# KiCad board Type 1 Termination Board v3 design.kicad_pcb (continued)
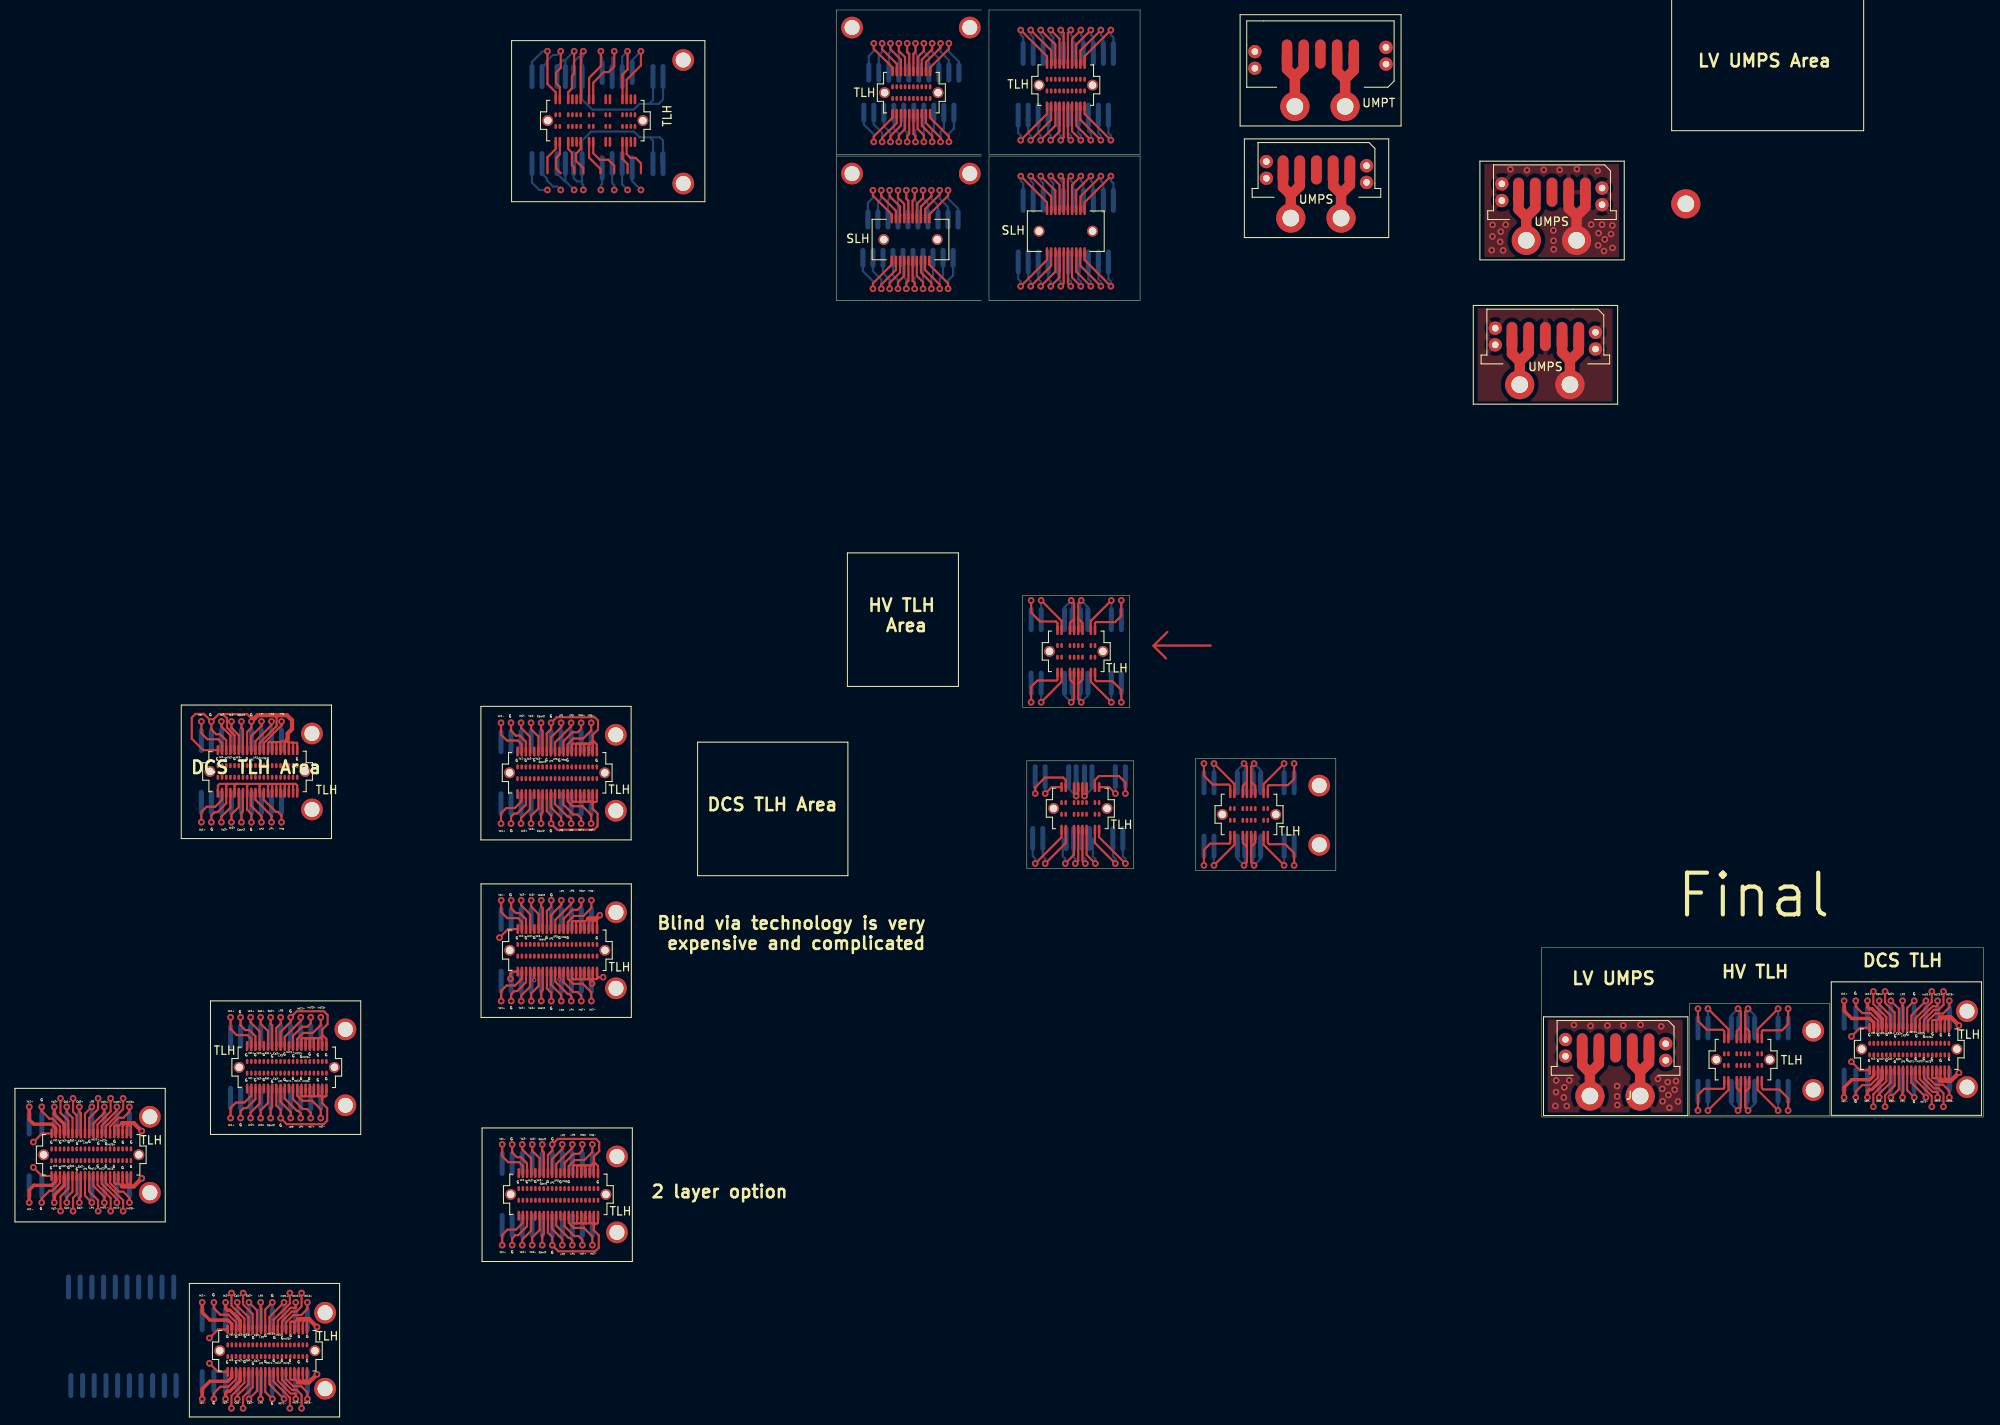
[diagram p0: board, top side]
## Nets (continued)

## Via types
v1: diameter 0.8, hole 0.4, Top to Bottom, 392 vias
v2: diameter 0.8, hole 0.4, Top to InF.Cu, 3 vias
v3: diameter 0.5, hole 0.3, Top to InF.Cu, 2 vias

## Routing (per net, layer and track width the routed paths; a pad name or vN(x,y) marks a point on that pad's centre or on a via; arc(x,y) is an arc through that point)
GND: length 421.1
  Top w0.25: -151.07,8.5 -151.07,10.18 -149.83,11.42 -149.83,11.92 v1(-149.85,11.94) -149.12,12.67 -145.88,12.67 -145.43,12.22 -145.43,11.13 -146.07,10.49 -146.07,9.73 ; -151.57,3.4 -151.57,1.37 -151.05,0.85 v1(-151.05,-0.14) -150.32,-0.87 -145.91,-0.87 -145.48,-0.44 -145.48,1.06 -146.07,1.65 -146.07,2.26 ; v1(-155.85,-0.13) -155.85,0.68 -155.47,1.06 -155.14,1.06 -154.07,2.13 -154.07,3.4 ; -148.61,11.55 -150.57,9.59 -150.57,8.5 ; v1(-154.65,-0.13) -154.65,0.53 -153.57,1.61 -153.57,3.4 ; -154.07,8.5 -154.07,9.68 -154.8,10.41 -155.29,10.41 -155.86,10.98 -155.85,10.99 v1(-155.85,11.94) ; v1(-149.85,-0.13) -149.85,0.59 -151.07,1.81 -151.07,3.4 ; -145.57,8.5 -145.57,9.35 -145.95,9.73 -146.07,9.73 ; -147.26,9.44 -147.48,9.44 -147.57,9.35 -147.57,8.5 ; -147.26,9.44 -146.87,9.44 ; -147.26,9.44 -147.82,9.44 ; -146.57,8.5 -146.57,9.4 -146.61,9.44 ; -148.57,8.5 -148.57,9.35 -148.48,9.44 -147.82,9.44 ; -146.07,9.73 -146.07,8.5 ; -146.07,9.73 -146.36,9.44 -146.61,9.44 ; -147.82,9.44 -147.98,9.44 -148.07,9.35 -148.07,8.5 ; -147.07,8.5 -147.07,9.35 -146.98,9.44 -146.87,9.44 ; -146.87,9.44 -146.61,9.44 ; v1(-157.05,11.94) -157.05,10.53 -156.33,9.81 -155.03,9.81 -154.57,9.35 -154.57,8.5 ; -147.57,3.4 -147.57,2.55 -147.5,2.48 -147.41,2.48 ; -148.07,3.4 -148.07,2.55 -148.14,2.48 -148.15,2.48 ; -146.07,3.4 -146.07,2.28 ; -146.57,2.55 -146.55,2.53 -146.55,2.48 -147,2.48 ; -146.57,2.55 -146.34,2.55 -146.07,2.28 ; -146.57,2.55 -146.57,3.4 ; -147.41,2.48 -148.15,2.48 ; -147.41,2.48 -147,2.48 ; -146.07,2.28 -146.07,2.26 ; -148.57,3.4 -148.57,2.55 -148.5,2.48 -148.15,2.48 ; -146.07,2.26 -145.87,2.46 -145.66,2.46 -145.57,2.55 -145.57,3.4 ; -147,2.48 -147,2.48 -147.07,2.55 -147.07,3.4 ; TLH#8.8 -119.16,15.39 -118.64,14.87 v1(-118.64,13.88) ; v1(-123.44,13.89) -123.44,14.7 -123.06,15.08 -122.73,15.08 -121.66,16.15 TLH#8.3 ; v1(-118.64,25.96) -118.64,25.22 -119.16,24.7 TLH#8.28 ; v1(-123.44,25.96) -123.44,25.01 -123.45,25 -122.88,24.43 -122.39,24.43 -121.66,23.7 TLH#8.23 ; -114.85,23.46 -115.07,23.46 -115.16,23.37 TLH#8.36 ; -114.85,23.46 -115.41,23.46 ; -114.85,23.46 -114.55,23.46 -114.24,23.77 ; TLH#8.37 -114.66,23.37 ; TLH#8.15 -115.66,16.57 -115.73,16.5 -115.74,16.5 ; -115,16.5 -115.09,16.5 -115.16,16.57 TLH#8.16 ; -115,16.5 -115.74,16.5 ; -115,16.5 -114.66,16.5 ; TLH#8.14 -116.16,16.57 -116.09,16.5 -115.74,16.5 ; -115.41,23.46 -116.07,23.46 -116.16,23.37 TLH#8.34 ; -115.41,23.46 -115.57,23.46 -115.66,23.37 TLH#8.35 ; TLH#9.8 -119.04,-13.86 -118.52,-14.38 v1(-118.52,-15.37) -117.79,-16.1 -113.38,-16.1 -112.95,-15.67 -112.95,-14.17 -113.54,-13.58 -113.54,-12.97 ; v1(-123.32,-15.36) -123.32,-14.55 -122.94,-14.17 -122.61,-14.17 -121.54,-13.1 TLH#9.3 ; v1(-123.32,-3.29) -123.32,-4.24 -123.33,-4.25 -122.76,-4.82 -122.27,-4.82 -121.54,-5.55 TLH#9.23 ; -114.73,-5.79 -114.95,-5.79 -115.04,-5.88 TLH#9.36 ; -114.73,-5.79 -115.29,-5.79 ; -114.73,-5.79 -114.34,-5.79 ; TLH#9.38 -114.04,-5.83 -114.08,-5.79 ; TLH#9.28 -119.04,-4.55 -118.52,-4.03 v1(-118.52,-3.29) -117.86,-2.63 -113.28,-2.63 -112.9,-3.01 -112.9,-4.1 -113.54,-4.74 -113.54,-5.5 ; TLH#9.40 -113.04,-5.88 -113.42,-5.5 -113.54,-5.5 ; TLH#9.19 -113.54,-12.95 ; -114.04,-12.68 -114.02,-12.7 -114.02,-12.75 -114.47,-12.75 ; -114.04,-12.68 -113.81,-12.68 -113.54,-12.95 ; -114.04,-12.68 TLH#9.18 ; TLH#9.37 -114.54,-5.88 -114.45,-5.79 -114.34,-5.79 ; -114.08,-5.79 -114.34,-5.79 ; -114.08,-5.79 -113.83,-5.79 -113.54,-5.5 ; TLH#9.15 -115.54,-12.68 -115.61,-12.75 -115.62,-12.75 ; -114.88,-12.75 -114.97,-12.75 -115.04,-12.68 TLH#9.16 ; -114.88,-12.75 -115.62,-12.75 ; -114.88,-12.75 -114.47,-12.75 ; -113.54,-5.5 TLH#9.39 ; -113.54,-12.95 -113.54,-12.97 ; TLH#9.14 -116.04,-12.68 -115.97,-12.75 -115.62,-12.75 ; -114.47,-12.75 -114.47,-12.75 -114.54,-12.68 TLH#9.17 ; -115.29,-5.79 -115.95,-5.79 -116.04,-5.88 TLH#9.34 ; -115.29,-5.79 -115.45,-5.79 -115.54,-5.88 TLH#9.35 ; -113.54,-12.97 -113.34,-12.77 -113.13,-12.77 -113.04,-12.68 TLH#9.20 ; -170.99,-7.07 -170.99,-7.92 -170.9,-8.01 -170.38,-8.01 -170.07,-8.32 ; -170.49,-7.07 -170.49,-7.92 ; -169.79,-8.32 -169.79,-8.12 -169.99,-7.92 -169.99,-7.07 ; -169.26,-8.32 -169.26,-8.15 -169.49,-7.92 -169.49,-7.07 ; -168.99,-7.07 -168.99,-7.92 -169.06,-7.99 -169.06,-8.32 ; -178.49,-7.07 -179.64,-7.07 v1(-180.67,-6.04) ; -177.49,-7.07 -177.49,-7.92 -178.41,-8.84 -178.75,-8.84 -179.67,-9.76 v1(-179.67,-10.26) ; v1(-175.92,-11.28) -175.92,-9.68 -175.49,-9.25 -175.49,-7.07 ; -171.99,-7.07 -171.99,-7.92 -169.92,-9.99 v1(-169.92,-11.28) ; -172.99,-7.07 -172.99,-8.15 -171.42,-9.72 v1(-171.42,-11.28) ; -176.49,-7.07 -176.49,-8.6 -177.42,-9.53 v1(-177.42,-11.28) ; -173.99,-7.07 -173.99,-8.92 -172.92,-9.99 v1(-172.92,-11.28) ; -170.99,-1.98 -170.99,-1.13 -170.9,-1.04 -170.38,-1.04 -170.07,-0.73 ; -169.99,-1.98 -169.99,-1.13 -169.79,-0.93 -169.79,-0.73 ; -170.49,-1.98 -170.49,-1.13 ; -169.26,-0.73 -169.26,-0.9 -169.49,-1.13 -169.49,-1.98 ; -168.99,-1.98 -168.99,-1.13 -169.06,-1.06 -169.06,-0.73 ; -178.49,-1.98 -179.64,-1.98 v1(-180.67,-3.01) ; -149.9,-25.46 -149.9,-24.61 -149.81,-24.52 -149.29,-24.52 -148.98,-24.21 ; -148.9,-25.46 -148.9,-24.61 -148.7,-24.41 -148.7,-24.21 ; -149.4,-25.46 -149.4,-24.61 ; -148.17,-24.21 -148.17,-24.38 -148.4,-24.61 -148.4,-25.46 ; -157.4,-25.46 -158.55,-25.46 v1(-159.58,-26.49) ; TLH#12.5 -156.4,-24.61 -157.32,-23.69 -158.28,-23.69 -159.05,-22.92 v1(-159.05,-22.22) ; v1(-159.58,-29.52) -158.55,-30.55 -157.4,-30.55 ; -156.4,-30.55 -156.4,-31.4 -157.32,-32.32 -158.28,-32.32 -159.05,-33.09 v1(-159.05,-33.79) ; -148.4,-30.55 -148.4,-31.4 -148.17,-31.63 -148.17,-31.8 ; -148.7,-31.8 -148.7,-31.6 -148.9,-31.4 -148.9,-30.55 ; -148.98,-31.8 -149.29,-31.49 -149.81,-31.49 -149.9,-31.4 -149.9,-30.55 ; -149.4,-30.55 -149.4,-31.4 ; -151.9,-30.55 -151.9,-31.69 -149.95,-33.64 v1(-149.95,-34.91) ; -154.4,-30.55 -154.4,-32.4 -155.55,-33.55 v1(-155.55,-34.91) ; -155.4,-30.55 -155.4,-31.86 -156.95,-33.41 v1(-156.95,-34.91) ; -150.9,-30.55 -150.9,-31.5 -149.7,-32.7 -149.15,-32.7 -148.55,-33.3 v1(-148.55,-34.91) ; -152.9,-30.55 -152.9,-32.94 v1(-152.05,-33.79) ; -147.9,-30.55 -147.9,-31.56 -147.66,-31.8 ; TLH#8.5 -120.66,16.41 v3(-120.68,16.39) ; -113.66,16.52 -113.21,16.52 -113.16,16.57 ; -113.66,16.52 -113.68,16.5 ; -113.66,16.52 TLH#8.19 ; -113.23,23.77 -113.23,23.44 -113.16,23.37 TLH#8.40 ; -113.68,16.5 -113.75,16.43 v2(-113.75,16) ; -113.68,16.5 -114.14,16.5 ; -113.16,16.57 -113.16,16.57 -113,16.74 v2(-112.43,16.74) ; -113.16,16.57 TLH#8.20 ; TLH#8.39 -113.66,23.37 -113.43,23.6 -113.43,23.77 ; v1(-169.92,2.23) -169.92,0.94 -171.99,-1.13 TLH#11.27 ; -147.9,-25.46 -147.9,-24.45 -147.66,-24.21 ; v1(-175.92,2.23) -175.92,0.63 -175.49,0.2 TLH#11.13 ; v1(-179.67,1.21) -179.67,0.71 -178.75,-0.21 -178.41,-0.21 -177.49,-1.13 TLH#11.5 ; -113.96,23.77 -113.96,23.57 -114.16,23.37 TLH#8.38 ; v1(-148.55,-21.1) -148.55,-22.71 -149.15,-23.31 -149.7,-23.31 -150.9,-24.51 TLH#12.27 ; v1(-177.42,2.23) -177.42,0.48 -176.49,-0.45 TLH#11.9 ; TLH#12.13 -154.4,-23.61 -155.55,-22.46 v1(-155.55,-21.1) ; -114.66,16.5 -114.66,16.57 -114.66,16.57 TLH#8.17 ; -114.66,16.5 -114.14,16.5 ; TLH#12.19 -152.9,-23.07 v1(-152.05,-22.22) ; -114.14,16.5 -114.14,16.55 -114.16,16.57 TLH#8.18 ; TLH#8.1 -123.27,17.42 -123.53,17.16 v2(-123.53,16.57) ; TLH#12.9 -155.4,-24.15 -156.95,-22.6 v1(-156.95,-21.1) ; TLH#8.11 -117.66,16.48 v3(-117.66,16.48) ; TLH#11.19 -173.99,-0.13 -172.92,0.94 v1(-172.92,2.23) ; TLH#12.23 -151.9,-24.32 -149.95,-22.37 v1(-149.95,-21.1) ; TLH#11.23 -172.99,-0.9 -171.42,0.67 v1(-171.42,2.23) ; TLH#8.21 -123.81,22.52 v1(-124.84,21.49)
  Top w0.5: v1(-167.69,-7.36) -168.65,-8.32 -170.07,-8.32 ; v1(-167.69,-1.69) -168.65,-0.73 -170.07,-0.73 ; -147.97,-24.21 -148.17,-24.21 ; -148.17,-24.21 -148.98,-24.21 ; -148.17,-24.21 -147.66,-24.21 v1(-146.7,-25.17) ; -148.98,-31.8 -148.17,-31.8 ; -147.97,-31.8 -148.17,-31.8 ; -148.17,-31.8 -147.66,-31.8 v1(-146.7,-30.84) ; v1(-112.83,24.17) -113.23,23.77 -114.24,23.77
  Top w1.25: UMPS#2.1 5.22,109 4.17,107.95 ; UMPS#2.2 3.22,108.9 4.17,107.95 ; 4.17,107.95 REF**#14.1 ; 3.38,90.66 4.43,91.71 4.43,93.52 ; 3.38,90.66 2.43,91.61 2.43,93.52 ; 3.38,90.66 REF**#27.1 ; 11.79,5.42 J2.1 ; 11.79,5.42 10.84,6.37 10.84,8.28 ; 11.79,5.42 12.84,6.47 12.84,8.28 ; 5.77,5.29 J3.1 ; 5.77,5.29 6.84,6.36 6.84,8.28 ; 5.77,5.29 4.84,6.22 4.84,8.28
  Bottom w0.25: v1(-157.05,11.94) -157.05,9.67 ; v1(-149.85,11.94) REF**#56.7 ; v1(-149.85,-0.13) -149.85,2.24 ; v1(-151.05,-0.14) REF**#57.6 ; v1(-155.85,11.94) REF**#56.2 ; v1(-148.65,11.94) -148.65,9.67 ; v1(-154.65,-0.13) -154.65,2.24 ; v1(-155.85,-0.13) REF**#57.2 ; v1(-118.64,25.96) REF**#60.6 ; v1(-118.64,13.88) REF**#61.6 ; v1(-123.44,13.89) REF**#61.2 ; v1(-123.44,25.96) REF**#60.2 ; v1(-118.52,-3.29) REF**#62.6 ; v1(-118.52,-15.37) REF**#63.6 ; v1(-123.32,-15.36) REF**#63.2 ; v1(-123.32,-3.29) REF**#62.2
  Bottom w0.4: REF**#66.6 v1(-179.67,-10.26) ; v1(-152.05,-33.79) REF**#73.20 ; v1(-159.05,-33.79) REF**#73.6 ; v1(-152.05,-22.22) REF**#68.19 ; v1(-159.05,-22.22) REF**#68.5 ; REF**#67.5 v1(-179.67,1.21)
  vias: v1(-5.99,103.86) v1(-5.89,106.9) v1(-5.91,105.51) v1(-4.98,104.86) v1(-4.91,106.08) v1(-4.63,103.84) v1(-4.32,106.92) v1(-3.76,113.56) v1(-1.77,113.45) v1(0.24,113.49) v1(1.41,106.23) v1(1.41,105) v1(1.43,103.96) v1(1.63,1.33) v1(1.73,4.37) v1(1.71,2.98) v1(2.14,113.49) v1(2.64,2.33) v1(2.71,3.55) v1(2.99,1.31) v1(3.3,4.39) v1(3.86,11.03) v1(4.21,113.58) v1(5.85,10.92) v1(5.92,106.93) v1(6.69,113.39) v1(6.75,104.44) v1(6.81,105.9) v1(7.22,106.92) v1(7.46,103.76) v1(7.55,105.16) v1(7.86,10.96) v1(8.3,105.8) v1(8.46,106.83) v1(8.47,104.14) v1(9.03,3.7) v1(9.03,2.47) v1(9.05,1.43) v1(9.76,10.96) v1(11.83,11.05) v1(13.92,4.56) v1(14.31,10.86) v1(14.43,3.37) v1(14.48,1.88) v1(15.09,4.18) v1(15.17,2.63) v1(15.29,1.1) v1(15.92,3.27) v1(16.08,4.3) v1(16.32,1.85)
(no net): length 2321.9
  Top w0.25: v1(-78.11,111.04) -78.11,110.34 -76.86,109.09 REF**#5.3 ; v1(-71.11,111.04) -71.11,110.39 -73.36,108.14 -73.36,107.69 ; v1(-79.11,111.04) -79.11,110.34 -77.36,108.59 -77.36,107.69 ; v1(-78.11,99.24) -78.11,99.94 -76.86,101.19 REF**#5.13 ; v1(-79.11,99.24) -79.11,99.74 -77.36,101.49 REF**#5.12 ; v1(-73.11,99.24) -73.11,99.94 -74.36,101.19 REF**#5.18 ; REF**#5.14 -76.36,100.79 -77.11,100.04 v1(-77.11,99.24) ; REF**#5.6 -75.36,109.79 -75.11,110.04 v1(-75.11,111.04) ; REF**#5.8 -74.36,109.09 -73.11,110.34 v1(-73.11,111.04) ; v1(-52.81,112.74) -55.26,110.29 -55.26,108.69 ; REF**#3.9 -77.26,126.19 -79.01,127.94 v1(-79.01,128.64) ; REF**#5.9 -73.86,108.79 -72.11,110.54 v1(-72.11,111.04) ; v1(-74.11,111.04) -74.11,110.14 -74.86,109.39 REF**#5.7 ; v1(-76.11,111.04) -76.11,110.04 -75.86,109.79 REF**#5.5 ; v1(-80.11,99.24) -80.11,99.89 -77.86,102.14 -77.86,102.59 ; -56.26,108.69 -56.26,111.69 v1(-55.21,112.74) ; v1(-51.61,112.74) -54.76,109.59 -54.76,108.69 ; REF**#5.16 -75.36,100.19 -75.11,99.94 v1(-75.11,99.24) ; v1(-54.01,99.54) -55.76,101.29 -55.76,103.59 ; -57.26,103.59 -57.26,99.89 v1(-57.61,99.54) ; v1(-76.11,99.24) -76.11,99.94 -75.86,100.19 REF**#5.15 ; v1(-72.11,99.24) -72.11,99.74 -73.86,101.49 REF**#5.19 ; -56.76,108.69 -56.76,112.39 v1(-56.41,112.74) ; -57.76,108.69 -57.76,111.69 v1(-58.81,112.74) ; v1(-61.21,99.54) -58.76,101.99 -58.76,103.59 ; -77.26,120.22 -77.26,119.09 -79.01,117.34 v1(-79.01,116.84) ; v1(-73.01,116.84) -73.01,117.54 -74.26,118.79 -74.26,120.22 ; REF**#6.19 -58.76,119.49 v1(-61.21,117.04) ; REF**#6.14 -56.26,118.09 v1(-55.21,117.04) ; v1(-75.01,116.84) -75.01,117.54 -75.26,117.79 -75.26,120.22 ; -75.76,120.22 -75.76,117.79 -76.01,117.54 v1(-76.01,116.84) ; REF**#6.16 -57.26,117.39 v1(-57.61,117.04) ; v1(-61.21,130.24) -58.76,127.79 REF**#6.9 ; -55.76,108.69 -55.76,110.99 v1(-54.01,112.74) ; v1(-76.01,128.64) -76.01,127.64 -75.76,127.39 -75.76,125.27 ; v1(-74.01,116.84) -74.01,117.64 -74.76,118.39 -74.76,120.22 ; v1(-77.01,128.64) -77.01,127.74 -76.26,126.99 -76.26,125.27 ; v1(-72.01,116.84) -72.01,117.34 -73.76,119.09 -73.76,120.22 ; v1(-78.01,128.64) -78.01,127.94 -76.76,126.69 -76.76,125.27 ; v1(-62.41,99.54) -59.26,102.69 -59.26,103.59 ; v1(-77.01,116.84) -77.01,117.64 -76.26,118.39 -76.26,120.22 ; v1(-54.01,130.24) -55.76,128.49 REF**#6.3 ; REF**#6.17 -57.76,118.09 v1(-58.81,117.04) ; REF**#6.6 -57.26,129.89 v1(-57.61,130.24) ; v1(-55.21,130.24) -56.26,129.19 REF**#6.4 ; v1(-62.41,130.24) -59.26,127.09 REF**#6.10 ; v1(-60.01,117.04) -58.26,118.79 REF**#6.18 ; -74.76,125.27 -74.76,126.99 -74.01,127.74 v1(-74.01,128.64) ; v1(-56.41,117.04) -56.76,117.39 REF**#6.15 ; v1(-52.81,130.24) -55.26,127.79 REF**#6.2 ; REF**#6.20 -59.26,120.19 v1(-62.41,117.04) ; REF**#6.7 -57.76,129.19 v1(-58.81,130.24) ; REF**#6.12 -55.26,119.49 v1(-52.81,117.04) ; -77.86,107.69 -77.86,108.14 -80.11,110.39 v1(-80.11,111.04) ; v1(-75.01,128.64) -75.01,127.64 -75.26,127.39 -75.26,125.27 ; v1(-71.11,99.24) -71.11,99.89 -73.36,102.14 -73.36,102.59 ; v1(-74.11,99.24) -74.11,100.04 -74.86,100.79 REF**#5.17 ; v1(-77.11,111.04) -77.11,110.14 -76.36,109.39 REF**#5.4 ; REF**#6.1 -54.76,127.09 v1(-51.61,130.24) ; v1(-60.01,130.24) -58.26,128.49 REF**#6.8 ; REF**#6.11 -54.76,120.19 v1(-51.61,117.04) ; v1(-55.21,99.54) -56.26,100.59 -56.26,103.59 ; v1(-78.01,116.84) -78.01,117.54 -76.76,118.79 -76.76,120.22 ; -55.26,103.59 -55.26,101.99 v1(-52.81,99.54) ; v1(-51.61,99.54) -54.76,102.69 -54.76,103.59 ; -74.26,125.27 -74.26,126.69 -73.01,127.94 v1(-73.01,128.64) ; v1(-60.01,99.54) -58.26,101.29 -58.26,103.59 ; v1(-57.61,112.74) -57.26,112.39 -57.26,108.69 ; REF**#6.13 -55.76,118.79 v1(-54.01,117.04) ; v1(-56.41,130.24) -56.76,129.89 REF**#6.5 ; v1(-60.01,112.74) -58.26,110.99 -58.26,108.69 ; v1(-56.41,99.54) -56.76,99.89 -56.76,103.59 ; v1(-58.81,99.54) -57.76,100.59 -57.76,103.59 ; -59.26,108.69 -59.26,109.59 v1(-62.41,112.74) ; v1(-61.21,112.74) -58.76,110.29 -58.76,108.69 ; -73.76,125.27 -73.76,126.39 -72.01,128.14 v1(-72.01,128.64) ; v1(-71.01,116.84) -71.01,117.49 -73.26,119.74 REF**#3.11 ; v1(-80.01,128.64) -80.01,127.99 -77.76,125.74 REF**#3.10 ; REF**#3.20 -77.76,119.74 -80.01,117.49 v1(-80.01,116.84) ; REF**#3.1 -73.26,125.74 -71.01,127.99 v1(-71.01,128.64) ; TLH#2.11 -53.02,33.52 v1(-49.87,30.37) ; v1(-53.47,30.37) -54.52,31.42 TLH#2.14 ; TLH#2.12 -53.52,32.82 v1(-51.07,30.37) ; v1(-55.87,30.37) -55.52,30.72 TLH#2.16 ; v1(-60.67,30.37) -57.52,33.52 TLH#2.20 ; TLH#2.15 -55.02,30.72 v1(-54.67,30.37) ; v1(-57.07,30.37) -56.02,31.42 TLH#2.17 ; v1(-59.47,30.37) -57.02,32.82 TLH#2.19 ; TLH#3.34 -110.11,114.8 -109.5,114.19 -109.5,113.08 ; TLH#3.3 -117.61,123.41 -118.06,123.86 -118.06,125.14 -117.5,125.7 v1(-117.5,127.7) ; -107.9,113.08 -107.9,114.28 -108.53,114.91 -109.14,114.91 -109.61,115.38 TLH#3.36 ; TLH#3.2 -118.11,115.99 -119.1,115 -119.1,113.08 ; -115.9,113.08 -115.9,113.79 -116.17,114.06 -116.17,115.55 -116.61,115.99 TLH#3.8 ; TLH#3.1 -118.11,122.79 -119.1,123.78 v1(-119.1,127.7) ; TLH#3.20 -113.61,115.48 -112.83,114.7 -111.82,114.7 -111.1,113.98 -111.1,113.08 ; -112.7,113.08 -112.74,113.12 -112.74,113.59 -114.11,114.96 TLH#3.18 ; -117.5,113.08 -118.06,113.64 -118.06,114.92 -117.61,115.37 TLH#3.4 ; TLH#3.14 -115.11,115.99 -115.66,115.44 -115.66,114.55 -114.8,113.69 -114.8,113.08 ; TLH#3.7 -116.61,122.79 -116.17,123.23 -116.17,124.72 -115.9,124.99 v1(-115.9,127.7) ; v1(-109.5,127.7) -109.5,125.51 -110.11,124.9 TLH#3.33 ; v1(-114.8,127.7) -115.11,127.39 TLH#3.13 ; v1(-107.9,127.7) -107.9,125.99 -109.61,124.28 TLH#3.35 ; TLH#3.17 -114.11,124.51 -112.7,125.92 v1(-112.7,127.7) ; TLH#3.19 -113.61,123.93 -112.34,125.2 -111.79,125.2 -111.1,125.89 v1(-111.1,127.7) ; -55.51,51.95 -55.46,51.95 -55.01,52.4 -55.01,53.25 ; -55.51,51.95 -55.51,53.25 ; -55.51,51.95 -55.51,50.05 -55.16,49.7 ; -56.36,49.7 -56.01,50.05 -56.01,51.85 ; -61.16,49.7 -61.16,51.55 -60.42,52.29 -58.12,52.29 -58.01,52.4 -58.01,53.25 ; -53.51,53.25 -53.51,52.4 -53.33,52.22 -51.42,52.22 -50.36,51.16 -50.36,49.7 ; -51.56,49.7 -54.01,52.15 -54.01,53.25 ; -59.96,49.7 -57.51,52.15 -57.51,53.25 ; -56.01,53.25 -56.01,51.85 ; -56.01,51.85 -56.01,51.9 -56.51,52.4 -56.51,53.25 ; v1(-159.35,47.39) -159.35,46.44 -159.36,46.43 -158.79,45.86 -158.3,45.86 -157.57,45.13 TLH#5.23 ; v1(-159.35,47.39) -160.26,48.3 -161.25,48.3 -161.7,47.85 -161.7,45.32 -160.33,43.95 TLH#5.21 ; v1(-159.35,47.39) -158.47,48.27 -157.99,48.27 ; v1(-160.55,47.39) -160.55,46 -160.56,45.99 -159.83,45.26 -158.53,45.26 -158.07,44.8 TLH#5.22 ; TLH#5.7 -155.57,36.68 -155.75,36.5 v1(-155.75,35.32) ; v1(-153.35,35.32) -153.35,36.04 -154.57,37.26 TLH#5.9 ; -157.4,39.91 -156.23,39.91 ; -157.4,39.91 -158.36,39.91 -158.57,39.7 TLH#5.1 ; -157.4,39.91 -157.4,39.87 -157.57,39.7 TLH#5.3 -157.57,37.58 -158.64,36.51 -158.97,36.51 -159.35,36.13 v1(-159.35,35.32) ; -156.23,39.91 -154.88,39.91 ; -156.23,39.91 -156.36,39.91 -156.57,39.7 TLH#5.5 ; -154.88,39.91 -154.88,39.89 -155.07,39.7 TLH#5.8 -155.07,36.82 -154.55,36.3 v1(-154.55,35.31) ; -154.88,39.91 -153.37,39.91 ; -152.07,38.85 -152.07,39.85 ; -149.07,38.85 -149.07,39.7 -149.28,39.91 -151.01,39.91 ; -151.01,39.91 -152.38,39.91 ; -151.01,39.91 -151.07,39.85 -151.07,38.85 ; -152.38,39.91 -152.57,39.72 -152.57,38.85 ; -152.38,39.91 -153.37,39.91 ; -150.07,38.85 -150.07,39.85 ; -153.37,39.91 -153.37,39.9 -153.57,39.7 TLH#5.11 ; -149.57,38.85 -149.57,39.85 ; -150.57,38.85 -150.57,39.85 ; -151.57,38.85 -151.57,39.85 ; TLH#5.2 -158.07,38 -158.89,37.18 -159.91,37.18 -160.55,36.54 v1(-160.55,35.32) ; v1(-155.75,47.39) -155.75,46.64 -155.76,46.63 -155.57,46.44 TLH#5.27 ; v1(-150.95,35.32) -150.95,36.13 -151.38,36.56 -151.63,36.56 -153.07,38 TLH#5.12 ; -158.15,46.79 v1(-158.15,47.39) ; -158.15,46.79 -158.13,46.81 ; -158.15,46.79 -157.07,45.71 TLH#5.24 ; TLH#5.28 -155.07,46.13 -154.55,46.65 v1(-154.55,47.39) -154.55,47.96 -154.58,47.99 -154.77,47.99 -155.05,48.27 -157.99,48.27 ; TLH#5.10 -154.07,38 -152.12,36.05 -152.15,36.02 v1(-152.15,35.32) ; TLH#5.32 -153.07,44.8 -150.91,46.96 -150.91,47.35 v1(-150.95,47.39) ; -152.11,47 -154.07,45.04 TLH#5.30 ; TLH#5.29 -154.57,45.63 -153.33,46.87 -153.33,47.37 v1(-153.35,47.39) ; TLH#5.26 -156.07,45.75 -156.95,46.63 v1(-156.95,47.39) ; v1(-158.15,35.32) -158.15,35.98 -157.07,37.06 TLH#5.4 ; v1(-156.95,35.32) -156.95,36.24 -156.07,37.12 TLH#5.6 ; v1(-152.25,-0.13) -152.25,1.05 -152.07,1.23 -152.07,3.4 ; -152.07,8.5 -152.07,10.99 -152.26,11.18 -152.25,11.19 v1(-152.25,11.94) ; -154.65,11.34 -154.63,11.36 ; -154.65,11.34 v1(-154.65,11.94) ; -154.65,11.34 -153.57,10.26 -153.57,8.5 ; v1(-153.45,11.94) -153.45,11.18 -152.57,10.3 -152.57,8.5 ; v1(-151.05,11.94) -151.05,11.2 -151.57,10.68 -151.57,8.5 ; v1(-153.45,-0.13) -153.45,0.79 -152.57,1.67 -152.57,3.4 ; v1(-157.05,-0.13) -157.05,1.09 -156.41,1.73 -155.39,1.73 -154.57,2.55 -154.57,3.4 ; -149.57,3.4 -149.57,2.13 -148.39,0.95 -147.9,0.95 -147.45,0.5 v1(-147.45,-0.13) ; -149.07,3.4 -149.07,2.55 -148.46,1.94 -147.27,1.94 -146.25,0.92 v1(-146.25,-0.13) ; v1(-147.45,11.94) -147.45,11.24 -147.88,10.81 -148.49,10.81 -149.57,9.73 -149.57,8.5 ; v1(-148.65,-0.13) -148.65,0.44 -148.94,0.73 -149.09,0.73 -150.57,2.21 -150.57,3.4 ; -149.07,8.5 -149.07,9.35 -148.35,10.07 -147.2,10.07 -146.25,11.02 v1(-146.25,11.94) ; TLH#7.1 -32.81,39.65 -32.7,39.76 -30.4,39.76 -29.66,40.5 v1(-29.66,42.35) ; -35.31,33.71 -35.31,32.31 ; -35.31,32.31 -35.31,32.36 -35.81,32.86 -35.81,33.71 ; -35.31,32.31 -35.31,30.51 -35.66,30.16 ; TLH#7.7 -35.81,39.65 -35.36,40.1 -35.31,40.1 ; v1(-30.86,42.35) -33.31,39.9 TLH#7.2 ; -34.81,32.41 -34.81,30.51 -34.46,30.16 ; -34.81,32.41 -34.76,32.41 -34.31,32.86 -34.31,33.71 ; -34.81,32.41 -34.81,33.71 ; TLH#7.10 -37.31,39.65 -37.49,39.83 -39.4,39.83 -40.46,40.89 v1(-40.46,42.35) ; -39.26,30.16 -36.81,32.61 -36.81,33.71 ; -29.66,30.16 -29.66,31.62 -30.72,32.68 -32.63,32.68 -32.81,32.86 -32.81,33.71 ; -37.31,33.71 -37.31,32.86 -37.42,32.75 -39.72,32.75 -40.46,32.01 -40.46,30.16 ; v1(-39.26,42.35) -36.81,39.9 TLH#7.9 ; -30.86,30.16 -33.31,32.61 -33.31,33.71 ; v1(-35.66,42.35) -35.31,42 -35.31,40.1 ; -35.31,40.1 TLH#7.6 ; TLH#7.4 -34.31,39.65 -34.81,40.15 -34.81,40.2 ; -34.81,40.2 -34.81,42 v1(-34.46,42.35) ; -34.81,40.2 TLH#7.5 ; TLH#8.29 -118.66,24.2 -117.42,25.44 -117.42,25.94 v1(-117.44,25.96) ; TLH#8.27 -119.66,25.01 -119.85,25.2 -119.84,25.21 v1(-119.84,25.96) ; -122.24,25.36 -122.22,25.38 ; -122.24,25.36 -121.16,24.28 TLH#8.24 ; -122.24,25.36 v1(-122.24,25.96) ; -116.2,25.57 -118.16,23.61 TLH#8.30 ; v1(-121.04,25.96) -121.04,25.2 -120.16,24.32 TLH#8.26 ; v1(-119.84,13.89) -119.84,15.07 -119.66,15.25 TLH#8.7 ; TLH#8.6 -120.16,15.69 -121.04,14.81 v1(-121.04,13.89) ; TLH#8.4 -121.16,15.63 -122.24,14.55 v1(-122.24,13.89) ; TLH#8.9 -118.66,15.83 -117.44,14.61 v1(-117.44,13.89) ; TLH#8.12 -117.16,16.15 -115.98,14.97 -115.49,14.97 -115.04,14.52 v1(-115.04,13.89) ; TLH#8.2 -122.16,16.57 -122.98,15.75 -124,15.75 -124.64,15.11 v1(-124.64,13.89) ; v1(-124.64,25.96) -124.64,24.55 -123.92,23.83 -122.62,23.83 -122.16,23.37 TLH#8.22 ; TLH#8.33 -116.66,23.37 -115.94,24.09 -114.79,24.09 -113.84,25.04 v1(-113.84,25.96) ; TLH#8.13 -116.66,16.57 -116.05,15.96 -114.86,15.96 -113.84,14.94 v1(-113.84,13.89) ; TLH#8.10 -118.16,16.23 -116.68,14.75 -116.53,14.75 -116.24,14.46 v1(-116.24,13.89) ; v1(-115.04,25.96) -115.04,25.26 -115.47,24.83 -116.08,24.83 -117.16,23.75 TLH#8.32 ; TLH#9.29 -118.54,-5.05 -117.3,-3.81 -117.3,-3.31 v1(-117.32,-3.29) ; TLH#9.27 -119.54,-4.24 -119.73,-4.05 -119.72,-4.04 v1(-119.72,-3.29) ; -122.12,-3.89 -122.1,-3.87 ; -122.12,-3.89 -121.04,-4.97 TLH#9.24 ; -122.12,-3.89 v1(-122.12,-3.29) ; -116.08,-3.68 -118.04,-5.64 TLH#9.30 ; v1(-120.92,-3.29) -120.92,-4.05 -120.04,-4.93 TLH#9.26 ; v1(-119.72,-15.36) -119.72,-14.18 -119.54,-14 TLH#9.7 ; TLH#9.6 -120.04,-13.56 -120.92,-14.44 v1(-120.92,-15.36) ; TLH#9.4 -121.04,-13.62 -122.12,-14.7 v1(-122.12,-15.36) ; TLH#9.9 -118.54,-13.42 -117.32,-14.64 v1(-117.32,-15.36) ; TLH#9.12 -117.04,-13.1 -115.86,-14.28 -115.37,-14.28 -114.92,-14.73 v1(-114.92,-15.36) ; TLH#9.2 -122.04,-12.68 -122.86,-13.5 -123.88,-13.5 -124.52,-14.14 v1(-124.52,-15.36) ; v1(-124.52,-3.29) -124.52,-4.7 -123.8,-5.42 -122.5,-5.42 -122.04,-5.88 TLH#9.22 ; TLH#9.33 -116.54,-5.88 -115.82,-5.16 -114.67,-5.16 -113.72,-4.21 v1(-113.72,-3.29) ; TLH#9.13 -116.54,-12.68 -115.93,-13.29 -114.74,-13.29 -113.72,-14.31 v1(-113.72,-15.36) ; TLH#9.10 -118.04,-13.02 -116.56,-14.5 -116.41,-14.5 -116.12,-14.79 v1(-116.12,-15.36) ; v1(-114.92,-3.29) -114.92,-3.99 -115.35,-4.42 -115.96,-4.42 -117.04,-5.5 TLH#9.32 ; 23.51,0.78 23.86,1.13 23.86,2.93 ; 29.51,0.78 29.51,2.24 28.45,3.3 26.54,3.3 26.36,3.48 26.36,4.33 ; 18.71,0.78 18.71,2.63 19.45,3.37 21.75,3.37 21.86,3.48 21.86,4.33 ; 23.36,4.33 23.36,3.48 23.86,2.98 23.86,2.93 ; 25.86,4.33 25.86,3.23 28.31,0.78 ; 23.86,4.33 23.86,2.93 ; 24.86,4.33 24.86,3.48 24.41,3.03 24.36,3.03 ; 19.91,0.78 22.36,3.23 22.36,4.33 ; 24.36,4.33 24.36,3.03 ; 24.36,3.03 24.36,1.13 24.71,0.78 ; TLH#10.2 25.86,10.52 v1(28.31,12.97) ; v1(29.51,12.97) 29.51,11.12 28.77,10.38 26.47,10.38 26.36,10.27 TLH#10.1 ; TLH#10.9 22.36,10.52 v1(19.91,12.97) ; v1(23.51,12.97) 23.86,12.62 23.86,10.72 ; TLH#10.10 21.86,10.27 21.68,10.45 19.77,10.45 18.71,11.51 v1(18.71,12.97) ; 24.36,10.82 24.36,10.77 24.86,10.27 TLH#10.4 ; 24.36,10.82 24.36,12.62 v1(24.71,12.97) ; 24.36,10.82 TLH#10.5 ; 23.86,10.72 23.81,10.72 23.36,10.27 TLH#10.7 ; 23.86,10.72 TLH#10.6 ; -170.67,-9.83 -172.49,-8.01 -172.49,-7.07 ; -175.99,-7.07 -175.99,-8.95 -176.67,-9.63 v1(-176.67,-10.26) ; -171.49,-7.07 -171.49,-7.92 -170.46,-8.95 -169.9,-8.95 -169.17,-9.68 v1(-169.17,-10.26) ; -172.17,-9.57 -173.49,-8.25 -173.49,-7.07 ; v1(-175.17,-10.26) -175.17,-9.69 -174.99,-9.52 -174.99,-9.52 -174.99,-7.07 ; -172.19,-9.59 -172.17,-9.61 v1(-172.17,-10.26) ; v1(-173.67,-10.26) -174.49,-9.44 -174.49,-7.07 ; v1(-170.67,-10.26) -170.67,-9.87 -170.69,-9.85 ; 46.77,10.68 46.77,11.53 46.86,11.62 47.38,11.62 47.69,11.93 ; 47.77,10.68 47.77,11.53 47.97,11.73 47.97,11.93 ; 47.27,10.68 47.27,11.53 ; 48.5,11.93 48.5,11.76 48.27,11.53 48.27,10.68 ; TLH#13.15 42.77,12.97 v1(41.82,13.92) ; v1(43.22,2.35) 43.22,2.93 43.27,2.98 43.27,5.59 ; v1(46.02,13.92) 44.27,12.17 TLH#13.21 ; TLH#13.25 45.27,11.72 46.82,13.27 47.35,13.27 47.42,13.34 v1(47.42,13.92) ; 46.27,5.59 46.27,4.73 47.13,3.87 48.08,3.87 48.82,3.13 v1(48.82,2.35) ; v1(48.82,13.92) 48.82,13.14 48.08,12.4 47.13,12.4 46.27,11.54 TLH#13.29 ; 44.27,5.59 44.27,4.1 v1(46.02,2.35) ; TLH#13.19 43.77,13.07 v1(44.62,13.92) ; 42.77,5.59 42.77,3.3 v1(41.82,2.35) ; v1(37.09,6.62) 38.12,5.59 39.27,5.59 ; v1(41.12,15.04) 41.12,13.68 42.27,12.53 TLH#13.13 ; 45.27,5.59 45.27,4.55 46.82,3 47.35,3 47.42,2.93 v1(47.42,2.35) ; 40.27,5.59 40.27,4.74 39.35,3.82 38.39,3.82 37.62,3.05 v1(37.62,2.35) ; v1(46.72,15.04) 46.72,13.77 44.77,11.82 TLH#13.23 ; 48.27,5.59 48.27,4.74 48.5,4.51 48.5,4.34 ; 47.97,4.34 47.97,4.54 47.77,4.74 47.77,5.59 ; v1(43.22,13.92) 43.22,13.34 43.27,13.29 TLH#13.17 ; 47.69,4.34 47.38,4.65 46.86,4.65 46.77,4.74 46.77,5.59 ; 40.42,2.76 41.77,4.11 41.77,5.59 ; v1(48.12,15.04) 48.12,13.43 47.52,12.83 46.97,12.83 45.77,11.63 TLH#13.27 ; 39.27,10.68 38.12,10.68 v1(37.09,9.65) ; 40.42,13.51 41.77,12.16 TLH#13.11 ; TLH#13.5 40.27,11.53 39.35,12.45 38.39,12.45 37.62,13.22 v1(37.62,13.92) ; TLH#13.9 41.27,11.99 39.72,13.54 v1(39.72,15.04) ; 48.77,10.68 48.77,11.69 49.01,11.93 ; 42.27,5.59 42.27,3.74 41.12,2.59 v1(41.12,1.23) ; 47.27,5.59 47.27,4.74 ; 44.77,5.59 44.77,4.45 46.72,2.5 v1(46.72,1.23) ; 41.27,5.59 41.27,4.28 39.72,2.73 v1(39.72,1.23) ; 43.77,5.59 43.77,3.2 v1(44.62,2.35) ; 49.01,4.34 48.77,4.58 48.77,5.59 ; 45.77,5.59 45.77,4.64 46.97,3.44 47.52,3.44 48.12,2.84 v1(48.12,1.23) ; -153.4,-30.55 -153.4,-33.16 -153.45,-33.21 v1(-153.45,-33.79) ; -150.4,-30.55 -150.4,-31.41 -149.54,-32.27 -148.59,-32.27 -147.85,-33.01 v1(-147.85,-33.79) ; -154.9,-30.55 -154.9,-32.03 -156.25,-33.38 ; v1(-154.85,-33.79) -153.9,-32.84 -153.9,-30.55 ; -152.4,-30.55 -152.4,-32.04 v1(-150.65,-33.79) ; -151.4,-30.55 -151.4,-31.59 -149.85,-33.14 -149.32,-33.14 -149.25,-33.21 v1(-149.25,-33.79) ; -170.67,0.78 -172.49,-1.04 TLH#11.25 ; TLH#4.36 -115.18,44.64 -115.09,44.73 -114.87,44.73 ; TLH#4.14 -116.18,37.84 -116.11,37.77 -115.76,37.77 ; -151.86,48.14 -151.54,47.82 -151.54,46.83 -153.57,44.8 TLH#5.31 ; -115.43,44.73 -114.87,44.73 ; -115.43,44.73 -116.09,44.73 -116.18,44.64 TLH#4.34 ; -115.43,44.73 -115.59,44.73 -115.68,44.64 TLH#4.35 ; -114.87,44.73 -114.48,44.73 ; -122.26,46.63 -121.18,45.55 TLH#4.24 ; -122.26,46.63 -122.24,46.65 ; -122.26,46.63 v1(-122.26,47.23) ; TLH#4.10 -118.18,37.5 -116.7,36.02 -116.55,36.02 -116.26,35.73 v1(-116.26,35.16) ; -172.17,0.52 -173.49,-0.8 TLH#11.21 ; v1(-121.06,47.23) -121.06,46.47 -120.18,45.59 TLH#4.26 ; TLH.2 -54.01,59.44 v1(-51.56,61.89) ; TLH#5.39 -149.57,44.8 -149.64,44.87 ; v1(-61.16,61.89) -61.16,60.43 -60.1,59.37 -58.19,59.37 -58.01,59.19 TLH.10 ; TLH#5.34 -152.07,44.8 -152.06,44.81 -152.06,44.92 ; TLH.9 -57.51,59.44 v1(-59.96,61.89) ; TLH#11.11 -175.99,-0.1 -176.67,0.58 v1(-176.67,1.21) ; v1(-59.47,38.76) -58.71,39.52 TLH#2.10 ; -170.69,0.8 -170.67,0.82 v1(-170.67,1.21) ; TLH#5.37 -150.57,44.8 -150.22,45.16 -150.22,44.94 -150.07,44.8 ; v1(-55.16,61.89) -55.51,61.54 -55.51,59.74 ; v1(-113.86,35.16) -113.86,36.21 -114.88,37.23 -116.07,37.23 -116.68,37.84 TLH#4.13 ; -113.68,37.55 -113.68,36.94 -113.09,36.35 -113.09,34.85 -113.52,34.42 -117.93,34.42 v1(-118.66,35.15) -118.66,36.14 -119.18,36.66 TLH#4.8 ; -113.68,37.55 -113.68,37.57 ; -113.68,37.55 -113.48,37.75 -113.27,37.75 -113.18,37.84 TLH#4.20 ; v1(-153.45,-22.22) -153.45,-22.8 -153.4,-22.85 TLH#12.17 ; TLH#11.29 -171.49,-1.13 -170.46,-0.1 -169.9,-0.1 -169.17,0.63 v1(-169.17,1.21) ; -114.61,37.77 -114.61,37.77 -114.68,37.84 TLH#4.17 ; -114.61,37.77 -114.16,37.77 -114.16,37.82 -114.18,37.84 ; -114.61,37.77 -115.02,37.77 ; TLH#4.38 -114.18,44.69 -114.22,44.73 ; TLH#5.36 -151.07,45 ; -151.07,45 -150.63,45 -150.22,45.42 ; -151.07,45 -151.15,44.92 -151.63,44.92 ; v1(-50.36,61.89) -50.36,60.04 -51.1,59.3 -53.4,59.3 -53.51,59.19 TLH.1 ; TLH#2.9 -57.02,40.37 -57.32,40.67 -59.5,40.67 -60.67,39.5 v1(-60.67,38.76) ; TLH#4.4 -121.18,36.9 -122.26,35.82 v1(-122.26,35.16) ; TLH#2.7 -56.02,38.7 v1(-55.77,38.45) -55.52,38.7 TLH#2.6 ; TLH#4.19 -113.68,37.57 ; TLH.5 -55.51,59.74 ; -55.51,59.74 -55.51,59.69 -55.01,59.19 TLH.4 ; v1(-150.65,-22.22) -152.4,-23.97 TLH#12.21 ; v1(-172.17,1.21) -172.17,0.56 -172.19,0.54 ; v1(-123.46,47.23) -123.46,46.28 -123.47,46.27 -122.9,45.7 -122.41,45.7 -121.68,44.97 TLH#4.23 ; -114.48,44.73 -114.22,44.73 ; -114.48,44.73 -114.59,44.73 -114.68,44.64 TLH#4.37 ; -152.06,44.92 -151.63,44.92 ; -152.06,44.92 -152.45,44.92 -152.57,44.8 TLH#5.33 ; TLH#4.28 -119.18,45.97 -118.66,46.49 v1(-118.66,47.23) -118,47.89 -113.42,47.89 -113.04,47.51 -113.04,46.42 -113.68,45.78 -113.68,45.02 ; -115.76,37.77 -115.02,37.77 ; -115.76,37.77 -115.75,37.77 -115.68,37.84 TLH#4.15 ; -113.68,37.57 -113.95,37.84 -114.18,37.84 ; -149.64,44.87 -150,44.87 -150.07,44.8 ; -149.64,44.87 -149.61,44.84 -149.11,44.84 -149.07,44.8 TLH#5.40 ; TLH#4.33 -116.68,44.64 -115.96,45.36 -114.81,45.36 -113.86,46.31 v1(-113.86,47.23) ; -113.68,45.02 -113.97,44.73 -114.22,44.73 ; -113.68,45.02 TLH#4.39 ; -113.68,45.02 -113.56,45.02 -113.18,44.64 TLH#4.40 ; v1(-119.86,35.16) -119.86,36.34 -119.68,36.52 TLH#4.7 ; TLH#4.3 -121.68,37.42 -122.75,36.35 -123.08,36.35 -123.46,35.97 v1(-123.46,35.16) ; v1(-49.87,38.76) -49.87,40.08 -50.64,40.85 -53.04,40.85 -53.52,40.37 TLH#2.2 ; TLH#12.25 -151.4,-24.42 -149.85,-22.87 -149.32,-22.87 -149.25,-22.8 v1(-149.25,-22.22) ; -157.99,48.27 -157.48,47.76 -157.48,46.65 -156.57,45.74 TLH#5.25 ; TLH#4.6 -120.18,36.96 -121.06,36.08 v1(-121.06,35.16) ; -150.07,44.8 TLH#5.38 ; TLH#4.27 -119.68,46.28 -119.87,46.47 -119.86,46.48 v1(-119.86,47.23) ; -39.65,56.48 -46.48,56.48 ; -46.48,56.48 -46.48,56.42 -45,54.94 ; -46.48,56.48 -44.84,58.12 ; v1(-115.06,47.23) -115.06,46.53 -115.49,46.1 -116.1,46.1 -117.18,45.02 TLH#4.32 ; TLH#12.11 -154.9,-23.98 -156.25,-22.63 ; TLH#4.30 -118.18,44.88 -116.22,46.84 ; v1(-173.67,1.21) -174.49,0.39 